# Altium PCB GT502W_V4_GPS_GT101.PcbDoc (part 1 of 2) (continued)
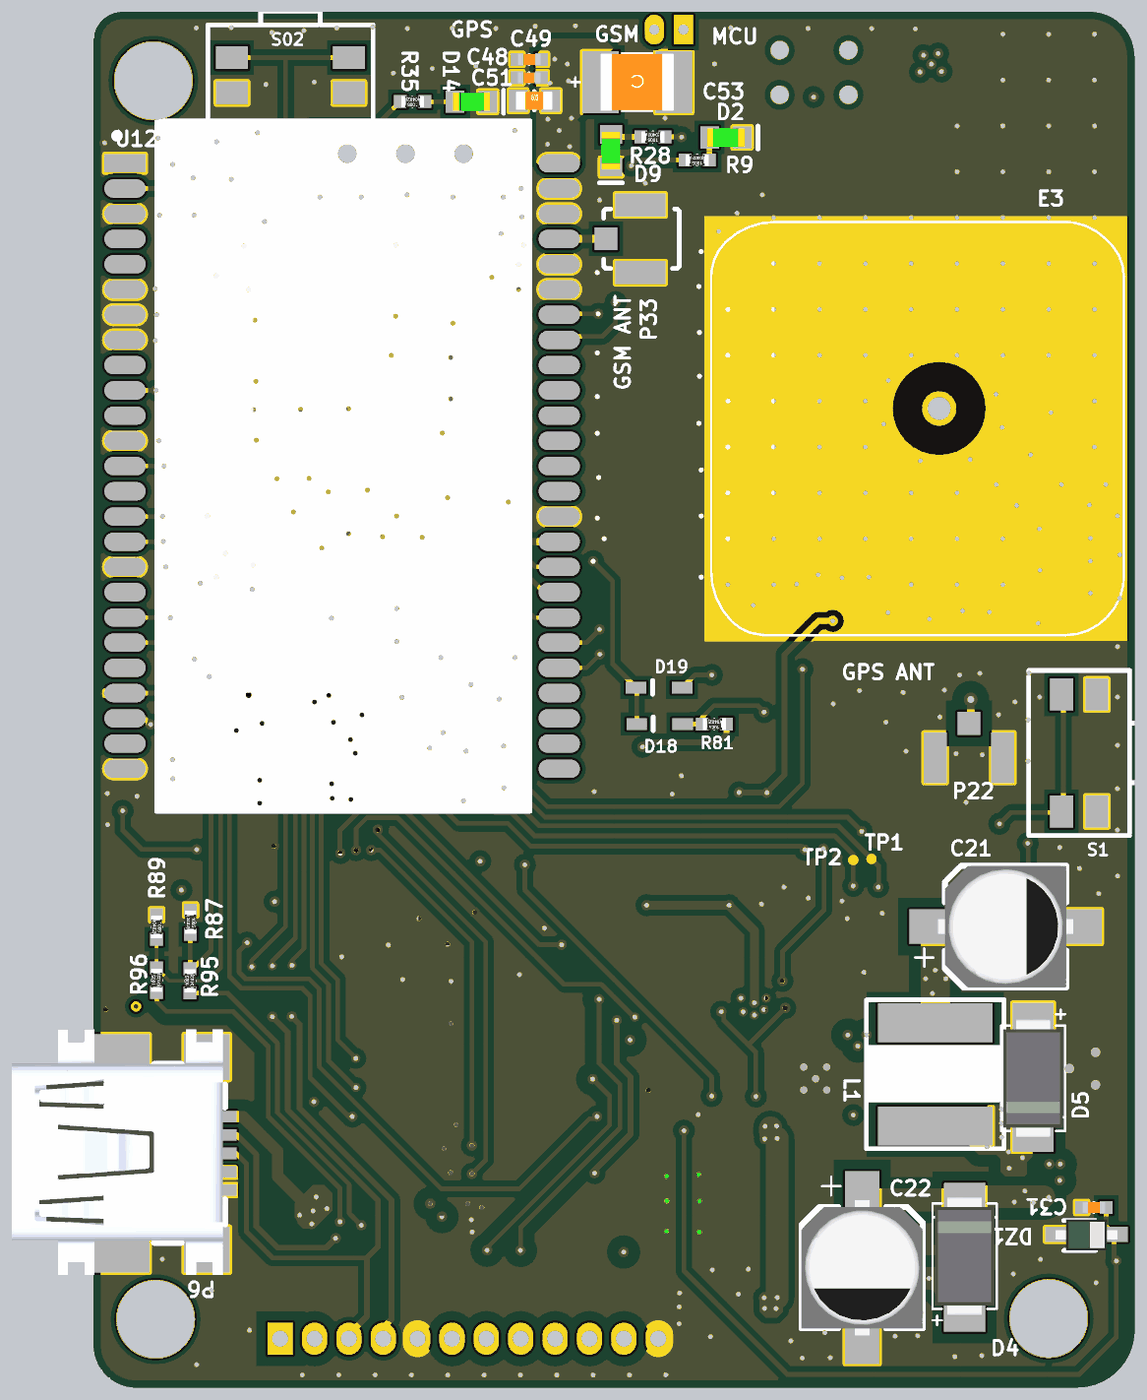
[diagram p6: 3D render of the assembled board from below, using the file's embedded part models]

## Layer stack, top to bottom
L1: signal copper 1.378
Dielectric: core 7.8, FR-4, Dk 4.2
L2: signal copper 1.378
Dielectric: prepreg 7.8, FR-4, Dk 4.2
L3: signal copper 1.378
Dielectric: core 7.8, FR-4, Dk 4.2
L4: signal copper 1.378

## Board outline
-569.54,-1178.56 -569.54,1008.17 -569.01,1008.17 cw(c-492.93,1008.17) -492.93,1084.25 1168.9,1084.25 cw(c1168.9,1034.25) 1218.9,1034.25 1218.9,-1203.95 cw(c1145.67,-1203.95) 1145.67,-1277.17 -471.1,-1277.17 -471.1,-1276.99 cw(c-471.1,-1178.56)

## Design rules (kind name [scope] priority, off if disabled: settings)
Clearance L1_L2_L3_L4_GND_POWER [InNamedPolygon('L1_GND') Or  InNamedPolygon('L3_GND') Or  InNamedPolygon('L4_GND') Or  InNamedPolygon('L2_GND') vs (InNet('5V') OR InNet('DIGITAL_OUT1') OR InNet('DIGITAL_OUT2') OR InNet('_ADC_IN') OR InNet('_ADC_IN1') OR InNet('ACC_IN') OR InNet('HI_IN') OR InNet('LOW_IN') OR InNet('VIN') OR InNet('V++') OR InNet('NetF2_2') OR InNet('NetF3_2') OR InNet('NetD4_1') OR InNet('NetC34_2') OR InNet('NetC34_1') OR InNet('NetD7_1') )] p1: gap=19.68
Clearance L4_GND_ANT_GPS [InNamedPolygon('L4_GND') vs InNet('NetC69_2')] p2: gap=50
Clearance L1_L2_L3_GND_ANT_GPS [InNamedPolygon('L1_GND') Or InNamedPolygon('L2_GND') Or  InNamedPolygon('L3_GND') Or InNamedPolygon('L4_GND') vs (InNet('NetC69_2') Or InNet('VCC_RF') Or InNet('NetC67_1') )] p3: gap=20
Clearance L1-L4-GND-RULE-ALL [InNamedPolygon('L1_GND') Or  InNamedPolygon('L3_GND') Or  InNamedPolygon('L4_GND') Or  InNamedPolygon('L2_GND')] p4: gap=10
Clearance [All] p5: gap=6
ComponentClearance [All] p1: gap=0 collisioncheckmode=3 verticalgap=0 showdistances=FALSE
MinimumSolderMaskSliver [All] p1: minsoldermaskwidth=1
PolygonConnect Pol_Style [All vs IsNamedPolygon('L1_GND') Or  IsNamedPolygon('L3_GND') Or  IsNamedPolygon('L4_GND') Or  IsNamedPolygon('L2_GND')] p1: connectstyle=Direct reliefconductorwidth=10 reliefentries=4 polygonreliefangle="90 Angle" // V3
PolygonConnect L1-GND-GPS_1 [All vs IsNamedPolygon('L1-GND-GPS')] p2: connectstyle=Direct reliefconductorwidth=10 reliefentries=4 polygonreliefangle="90 Angle"
PolygonConnect L1-L4-GND-POLYGON-STYLE [All vs IsNamedPolygon('L2-GND-PCB') Or  IsNamedPolygon('L4-GND-PCB') Or  IsNamedPolygon('L1-GND-PCB') Or  IsNamedPolygon('L3-GND-PCB')] p3: connectstyle=Direct reliefconductorwidth=10 reliefentries=4 polygonreliefangle="90 Angle"
PolygonConnect GPS-PAD-L1 [All vs IsNamedPolygon('L1-GPS-PAD')] p4: connectstyle=Direct reliefconductorwidth=10 reliefentries=4 polygonreliefangle="90 Angle"
PolygonConnect "GPS PAD" [All vs IsNamedPolygon('L4-GPS-PAD')] p5: connectstyle=Direct reliefconductorwidth=10 reliefentries=4 polygonreliefangle="90 Angle"
PolygonConnect [All vs isvia] p6: connectstyle=Direct reliefconductorwidth=10 reliefentries=4 polygonreliefangle="90 Angle"
RoutingVias ThruVia [All] p1: holewidth=7.87 width=17.72 viastyle="Through Hole" minholewidth=7.87 minwidth=17.72 maxholewidth=7.87 maxwidth=17.72
SilkscreenOverComponentPads [All] p1: minsilkscreentomaskgap=0.39
SolderMaskExpansion [All] p1: expansion=4
Width [All] p1: maxlimit=78.74 minlimit=6 preferedwidth=6
25 further rules are at their usual default settings.

## Classes and differential pairs
component class "Power Supply": C17 C18 C19 C20 C21 C22 C25 C33 C34 C70 D4 D5 D10 D18 D19 F1 L1 P8 P08 Q4 R19 R21 R43 R44 R45 R49 R50 R74 R81 R88 S2 S02 TP17 TP22 TP23 U7 U10 U11
component class Main: Buzzer1 C5 C6 C8 C10 C11 C12 C13 C14 C15 C31 C68 C85 C86 C87 C88 C89 C90 C91 D2 D7 D8 DZ1 F2 F3 P2 P4 P6 P40 Q2 Q6 Q8 Q9 R2 R3 R4 R5 R6 R7 R9 R11 R12 R14 R16 R58 R63 R67 R68 R82 R83 R84 R85 R86 R87 R89 R93 R94 R95 R96 R97 R98 S1 TP24 TP25 TP26 U3 U4 U5 U13 Y1
component class GSM/GPS: C40 C41 C48 C49 C51 C53 C55 C56 C57 C58 C59 C61 C62 C63 C66 C67 C69 C94 C95 D9 D14 E3 L68 L69 P02 P10 P22 P33 R28 R31 R33 R35 R77 R78 TP1 TP2 TP3 TP5 TP6 TP7 TP8 TP9 TP10 TP11 TP12 TP13 TP15 TP16 U1 U2 U12 U33

## Components (designator, comment, footprint, x,y, rotation, side; value= is the part's Value field where it differs from the comment)
C5 "100nF-16V-20%" C0402 591.76,-347.84 r270 top
C6 "100nF-16V-20%" C0402 871.26,-485.96 r270 top
C8 "15p-50V-5%" C0402 716.93,-463.39 r90 top
C10 "100nF-16V-20%" C0402 637.07,-346.48 r90 top
C11 "100nF-16V-20%" C0402 1089.76,-104.84 r270 top
C12 "100nF-16V-20%" C0402 905.51,-485.83 r270 top
C13 "100nF-16V-20%" C0402 754.33,22.05 r0 top
C14 "100nF-16V-20%" C0402 656.3,1.57 r90 top
C15 "15p-50V-5%" C0402 766.93,-483.86 r180 top
C17 "1uF-16V-20%" C0603 269.69,-487.4 r0 top
C18 "100nF-16V-20%" C0402 296.85,-208.27 r180 top
C19 "1uF-16V-20%" C0603 268.5,-254.33 r0 top
C20 "1uF-16V-20%" C0603 -198.11,-692.21 r0 top
C21 "100u, 6.3v" "CAPACITOR SIZE_C(D5.3)" -231.89,-485.83 r180 bottom
C22 "10uF, 35v" "CAPACITOR SIZE_C(D5.3)" -101.57,-955.12 r270 bottom locked
C25 "10uF-6V3-20%" C0603 153.54,-835.43 r180 top
C31 "100nF-16V-20%" C0402 -499.61,-968.11 r0 bottom
C33 "100nF-16V-20%" C0402 550,-312.6 r270 top
C34 "100nF-16V-20%" C0402 -331.1,-692.13 r270 top
C40 "10uF-6V3-20%" C0603 -107.09,70.47 r0 top
C48 "15p-50V-5%" C0402 470.61,971.26 r0 bottom
C49 "33p-50V-5%" C0402 470.47,1002.76 r0 bottom
C51 "1uF-16V-20%" C0603 489.37,931.89 r180 bottom
C53 "100u, ceramic" C1210 292.91,963.78 r0 bottom
C55 "100nF-16V-20%" C0402 20.87,49.61 r180 top
C56 "100nF-16V-20%" C0402 987.35,555.16 r0 top
C57 "47p-50V-5%" C0402 989.35,450.16 r180 top
C58 "47p-50V-5%" C0402 989.35,349.16 r180 top
C59 "47p-50V-5%" C0402 475.2,264.57 r270 top
C61 "10uF-6V3-20%" C0603 192.91,-259.06 r180 top
C62 "100nF-16V-20%" C0402 165.75,-214.57 r180 top
C63 "1uF-16V-20%" C0603 183.07,-479.92 r180 top
C66 "47p-50V-5%" C0402 -470.83,115.15 r0 top
C67 "47p-50V-5%" C0402 -449.57,65.15 r90 top
C68 "100nF-16V-20%" C0402 254.33,-851.57 r0 top
C69 "47p-50V-5%" C0402 -471.22,207.67 r0 top
C70 "10uF-6V3-20%" C0603 -111.12,-591.73 r0 top
C85 "100nF-16V-20%" C0402 1179.13,-798.43 r270 top
C86 "100nF-16V-20%" C0402 404.72,-574.8 r0 top
C87 "100nF-16V-20%" C0402 404.72,-711.42 r0 top
C88 "100nF-16V-20%" C0402 405.12,-782.28 r0 top
C89 "100nF-16V-20%" C0402 405.12,-817.72 r0 top
C90 "100nF-16V-20%" C0402 1123.23,-237 r180 top
C91 "100nF-16V-20%" C0402 1123.23,-199.2 r180 top
C94 "27p-50V-5%" C0402 216.54,964.96 r90 top
C95 "27p-50V-5%" C0402 250,965.35 r90 top
D2 "LED GREEN" LED0603-G 132.68,868.9 r180 bottom locked
D4 "1N4007" "DO-214AC (SMA)" -257.87,-1102.76 r90 bottom
D5 "B340A" "DO-214AC (SMA)" -414.96,-695.28 r270 bottom
D7 "BAT43XV2" BAT43XV2 -411.02,-961.81 r90 top locked
D8 "1N4148" SOD323 381.5,-909.06 r270 top
D9 "LED GREEN" LED0603-G 329.92,846.06 r270 bottom
D10 "TVS-24V" "DO-214AB (SMC)" -271.83,-957.09 r0 top
D14 "LED GREEN" LED0603-G 569.69,930.32 r180 bottom locked
D18 "BAT43XV2" SOD-523F 246.46,-138.19 r270 bottom
D19 "BAT43XV2" SOD-523F 247.35,-75.66 r270 bottom
DZ1 "5V1-300mW" SOD323 -439.76,-1014.17 r180 bottom
E3 "Antenna" GPS_ANTENNA_18X18 -233.86,403.54 r270 bottom locked
F1 "MINISMDC050F-2" PTC1812 201.97,-964.17 r270 top locked
F2 "PTS120616V025(NA)" PTC1206 920.08,-947.64 r90 top
F3 "PTS120616V025" PTC1206 1028.35,-948.43 r90 top
L1 "68uH-20%" 68uH-1A -227.17,-827.95 r90 bottom
L68 "12nH-5%" R0402#1 -450.35,162 r270 top
P2 "Debug(NA)" HDR1X3 583.07,840.94 r0 top locked
P02 "MIC" HEADER_1.27mm_2PIN 205.51,1053.94 r0 top
P4 "Header 12" CI1512M1HR0 574.02,-1114.96 r180 top locked
P6 "USB-CONNECTOR(NA)" "USB MINI B RECEPTACLE-M" 1012.64,-812.15 r90 bottom locked
P08 "Battery connector(NA)" "Nokia Battery connector" -18.9,921.26 r0 top locked
P8 "Header 4" BAT_CONNECT -62.99,-1151.97 r90 top locked
P10 "SIM CARD HOLDER" "SIM MF01-412-063X" 443.59,400.58 r180 top locked
P22 "GPS Antena Connecter(NA)" "IPX SMD PCB Plug" -285.04,-196.06 r90 bottom
P33 "GSM Antena conecter" "IPX SMD PCB Plug" 279.53,694.88 r0 bottom
P40 "Header 12" CI1512P1HK0-LF 573.62,-1193.31 r180 top locked
Q2 "PMBT3906,215" SC-43-BCE 918.89,-731.93 r180 top
Q4 "AO3401A" SOT23-3 39.37,-588.58 r0 top locked
Q6 "BSS138" SOT23-3 -501.18,-971.65 r90 top
Q8 "BSS138" SOT23-3 234.25,-760.63 r270 top locked
Q9 "BSS138" SOT23-3 234.25,-600.59 r270 top
R2 "10k-5%" R0402#1 818.9,-611.81 r0 top
R3 "10k-5%" R0402#1 821.26,-711.02 r0 top
R4 "10k-5%" R0402#1 820.61,-761.81 r0 top
R5 "10k-5%" R0402#1 819.29,-812.2 r0 top
R6 "4k7-5%" R0402#1 496.06,-226.51 r270 top
R7 "4k7-5%" R0402#1 531.5,-226.77 r270 top
R9 "1k-5%" R0402#1 181.89,829.92 r0 bottom
R11 "10k-5%" R0402#1 618.5,-257.87 r0 top
R12 "10k-5%" R0402#1 1017.46,-779.92 r0 top
R14 "1k5-5%" R0402#1 947.24,-594.16 r90 top
R16 "1k5-5%" R0402#1 901.97,-825.2 r180 top
R19 "10k-1%" R0402#1 -450.65,-559.84 r180 top
R21 "3.24k-1%" R0402#1 -526.77,-558.66 r0 top
R28 "1k-5%" R0402#1 257.87,869.69 r0 bottom
R31 "10k-5%" R0402#1 1066.54,18.11 r0 top
R33 "10k-5%" R0402#1 1001.18,-2.36 r270 top
R35 "1k-5%" R0402#1 670.87,930.32 r0 bottom
R43 "1k1-5%" R0402#1 -77.95,-638.19 r180 top
R44 "47k-5%" R0402#1 -169,-735.84 r180 top
R45 "3k-5%" R0402#1 -168.11,-773.21 r180 top
R49 "10k-5%" R0402#1 102.76,-691.73 r90 top
R50 "10k-5%" R0402#1 125.2,-748.43 r180 top
R58 "10k-5%" R0402#1 527.17,27.95 r0 top
R63 "100k-5%" R0402#1 -534.25,-906.56 r270 top
R67 "39k-1%" R0402#1 316.14,-850.39 r90 top
R68 "10k-1%" R0402#1 296.06,-803.94 r0 top
R74 "100k-5%" R0402#1 140.16,-575.2 r270 top
R77 "4k7-5%" R0402#1 300,-11.02 r180 top
R78 "4k7-5%" R0402#1 299.61,25.98 r180 top
R81 "100k-5%" R0402#1 152.34,-138.26 r0 bottom
R82 "10k-5%" R0402#1 404.72,-611.42 r180 top
R83 "10k-5%" R0402#1 404.33,-678.35 r180 top
R84 "10k-5%" R0402#1 404.72,-747.64 r180 top
R85 "10k-5%" R0402#1 405.51,-849.61 r180 top
R86 "1k-5%" R0402#1 404.59,-645.67 r0 top
R87 "10k-1%" R0402#1 1052.36,-478.35 r270 bottom
R88 "10k-5%" R0402#1 -168.5,-809.45 r180 top
R89 "10k-1%" R0402#1 1110.63,-486.61 r270 bottom
R93 "100k-5%" R0402#2 329.66,-711.81 r270 top
R94 "100k-5%" R0402#1 -363.39,-1011.81 r270 top
R95 "39k-1%" R0402#1 1053.15,-579 r90 bottom
R96 "39k-1%" R0402#1 1110.63,-577.95 r90 bottom
R97 "22-5%" R0402#1 877.95,-594.02 r270 top
R98 "22-5%" R0402#1 911.81,-593.63 r270 top
S1 "SOS(NA)" BUTON_4PIN_RIGH_ANGLE -474.41,-187.8 r90 bottom locked
S2 "SW-PB" SWITCH-1 236.22,-92.91 r180 top
S02 "PWR(NA)" BUTON_4PIN_RIGH_ANGLE 880.71,975.59 r0 bottom locked
TP1 "TP" TEST_POINT -117.66,-369.66 r90 bottom
TP2 "TP" TEST_POINT -86.22,-371.65 r90 bottom
TP3 "TP" TEST_POINT 1164.96,434.65 r90 top
TP5 "TP" TEST_POINT 1164.96,304.72 r90 top
TP6 "TP" TEST_POINT 1164.96,218.11 r90 top
TP7 "TP" TEST_POINT 1164.96,174.8 r90 top
TP8 "TP" TEST_POINT 1164.96,44.88 r90 top
TP9 "TP" TEST_POINT 1164.96,-85.04 r90 top
TP10 "TP" TEST_POINT 987.4,506.69 r90 top
TP11 "TP" TEST_POINT 988.98,403.15 r90 top
TP12 "TP" TEST_POINT 989.76,305.91 r90 top
TP13 "TP" TEST_POINT 464.57,397.24 r90 top
TP15 "TP" TEST_POINT 112.99,-213.78 r90 top
TP16 "TP" TEST_POINT 233.86,-468.5 r90 top
TP17 "TP" TEST_POINT 248.03,-208.27 r90 top
TP22 "TP" TEST_POINT -18.5,-652.76 r90 top
TP23 "TP" TEST_POINT 136.61,-668.83 r90 top
TP24 "TP" TEST_POINT 643.31,-154.33 r90 top
TP25 "TP" TEST_POINT 610.24,-223.23 r90 top
TP26 "TP" TEST_POINT 609.84,-194.49 r90 top
U1 "AMBO1315" GPS-module -250,0 r0 top locked
U2 "XC6209B332MRN_SOT-25" SOT23-5 167.01,-363.67 r90 top
U3 "ULN2003A/SO" SO16-150mil 604.72,-787.01 r270 top locked
U4 "STM32F103CBT6TR" TQFP-48-P0.5 863.89,-222.37 r90 top locked
U5 "MMA7660FC" MMA7660FC 548.06,-81.01 r270 top
U7 "TPS5430DDAR" HSOIOCN -457.48,-729.53 r180 top
U10 "bq24073" pq24073 -20.9,-746.67 r90 top
U11 "XC6209B332MRN_SOT-25" SOT23-5 305.02,-362.6 r90 top
U12 "LEON G100" UBLOX 791.93,304.72 r180 bottom locked
U13 "MX25L8005MC-15G_SOP-8L" SO8-200mil 1119.29,-559.06 r90 top locked
Y1 "8.000 MHZ" "SMD CRYSTAL 4 X 2.5" 582.68,-470.47 r0 top locked

## Footprints (in the part's own frame and the unit in brackets; to place one, negate y for a bottom-side part, rotate by r counter-clockwise, add the part's x,y. Pads: shape width x height; smd on the part's side, far side on the other; paste and mask are expansions set on the pad)
68uH-1A [mm]
  rect 1.7x5 smd: 1(0,0) 2(4.5,0)
  silkscreen extent -1,-3 5.5,3, body extent -1,-3 5.5,3, height 4.6
BAT43XV2 [mm] "Molded Inductor, 2-Leads, Body 1.2x0.8mm, IPC Medium Density"
  rect 0.9x0.5 smd: 1(-1,0) 2(1,0)
  silkscreen extent -0.28,-0.29 -0.28,0.31, body extent -0.65,-0.45 0.65,0.45, height 0.7
BAT_CONNECT [mm]
  rect 1x0.8 smd: 1(0.4,0.635) 2(0.4,-0.635)
  rect 3x2 smd: 3(-3,3.4) 4(-3,-3.4)
  silkscreen extent -4.67,-3.69 0,3.69
BUTON_4PIN_RIGH_ANGLE [mm]
  rect 1.4x1 smd: 1(-2.55,-0.77) 2(2.55,-0.77) 3(-2.55,0.77) 4(2.55,0.77)
  silkscreen extent -3.6,-2.8 3.6,2.2
C0402 [mil]
  rect 22x22 smd: 1(-21,0) 2(21,0)
  silkscreen extent 0,-8 0,8, body extent -20,-10 20,10, height 20
C0603 [mil]
  rect 32x38 smd: 1(0,0) 2(56,0)
  silkscreen extent 28,-16 28,16, body extent -4,-16 59,16, height 12
C1210 [mm] "Chip Capacitor; Body 3.2 x 2.5 mm (LxW typ)"
  rect 1.6x2.7 smd: 1(1.4,0) 2(-1.8,0)
  silkscreen extent -0.9,-1.3 2.7,1.3, body extent -2.3,-1.35 1.9,1.35
"CAPACITOR SIZE_C(D5.3)" [mm]
  rect 2.5x1.5 smd: 1(0,0) 2(5.9,0)
  silkscreen extent -1,-2.65 5.6,2.65, body extent 0,-2.65 5.9,2.65, height 5.4
CI1512M1HR0 [mm]
  rect 0.7x2.5 smd: 1(-8.25,0) 2(-6.75,0) 3(-5.25,0) 4(-3.75,0) 5(-2.25,0) 6(-0.75,0) 7(0.75,0) 8(2.25,0) 9(3.75,0) 10(5.25,0) 11(6.75,0) 12(8.25,0)
  L1 region: 9.65,2.65 10.75,2.65 10.75,4.55 9.65,4.55
  L1 region: -10.75,2.65 -9.65,2.65 -9.65,4.55 -10.75,4.55
  silkscreen extent -10.5,-0.45 10.5,5.55, body extent -10.5,0.55 10.5,5.55, height 4
CI1512P1HK0-LF [mm]
  rect 1.1x1.4 hole 0.7: 1(-8.25,0)
  oval 1.1x1.4 hole 0.7: 2(-6.75,0) 3(-5.25,0) 4(-3.75,0) 5(-2.25,0) 6(-0.75,0) 7(0.75,0) 8(2.25,0) 9(3.75,0) 10(5.25,0) 11(6.75,0) 12(8.25,0)
  silkscreen extent -10.5,-0.45 10.5,5.55, body extent -10.5,0.55 10.5,5.55, height 4
"DO-214AB (SMC)" [mil]
  rect 137.77x118.1 smd: 1(19.67,0) 2(236,0)
  silkscreen extent -8,-118 267,118, body extent -27,-118 286,114, height 91
"DO-214AC (SMA)" [mm]
  rect 2.2x1.8 smd: 1(-0.899,-0.5) 2(3.397,-0.5)
  silkscreen extent -1.7,-1.9 3.6,0.9, body extent -1.3,-1.8 3.9,0.8, height 2.3
GPS-module [mm]
  rect 0.66x1 smd: 1(-6.35,-13) 2(-5.08,-13) 3(-3.81,-13) 4(-2.54,-13) 5(-1.27,-13) 6(1.27,-13) 7(2.54,-13) 8(3.81,-13) 9(5.08,-13) 10(6.35,-13) 11(6.35,0) 12(5.08,0) 13(3.81,0) 14(2.54,0) 15(1.27,0) 16(-1.27,0) 17(-2.54,0) 18(-3.81,0) 19(-5.08,0) 20(-6.35,0)
  rect 1.02x1 smd: 21(0,-13) 22(0,0)
  silkscreen extent -8,-13 8,0, body extent -8,-13 8,0, height 2.5
GPS_ANTENNA_18X18 [mm]
  round 1.5 hole 1: 1(0,0)
  silkscreen extent -8.13,-9.95 9.89,8.06, body extent -8.13,-9.97 9.89,8.06, height 4.1
HDR1X3 [mm] "Connector; Header; 3 Position"
  rect 1.4x1.4 hole 0.8: 1(0,0)
  round 1.4 hole 0.8: 2(2.54,0) 3(5.08,0)
HEADER_1.27mm_2PIN [mm]
  rect 0.85x1.3 hole 0.45: 1(0,0)
  oval 0.85x1.3 hole 0.45: 2(1.27,0)
  silkscreen extent -0.8,-0.8 2,0.8
HSOIOCN [mm] "SP7656"
  rect 0.6x2 smd: 1(-1.905,-2.6) 2(-0.635,-2.6) 3(0.635,-2.6) 4(1.905,-2.6) 5(1.905,2.6) 6(0.635,2.6) 7(-0.635,2.6) 8(-1.905,2.6)
  rect 3.3x2.4 smd: 9(0,0)
  silkscreen extent -2.77,-3.43 2.5,1.43, body extent -2.5,-2.95 2.4,3.05, height 1.7
"IPX SMD PCB Plug" [mm]
  rect 1x1 smd: 1(1.5,0)
  rect 2.2x1 smd: 2(0,-1.475) 3(0,1.475)
LED0603-G [mil]
  rect 32x38 smd: 1(-28,0) 2(28,0)
  silkscreen extent 55,-20 55,19, body extent -32,-16 32,16, height 43
MMA7660FC [mm] "QFN, 12-Leads, Body 3,0x3,0mm (max), Pitch 0,50mm, IPC Medium Density"
  oval 1x0.25 smd: 1(-1.45,1) 2(-1.45,0.5) 3(-1.45,0) 4(-1.45,-0.5) 5(-1.45,-1) 6(1.45,-1) 7(1.45,-0.5) 8(1.45,0) 9(1.45,0.5) 10(1.45,1)
  oval 0.25x0.8 smd: 11(0,-1.58)
  oval 0.25x0.711 smd: 12(0,1.6)
  silkscreen extent -2.19,-1.5 1.5,1.66, body extent -1.5,-1.5 1.5,1.5, height 0.9
"Nokia Battery connector" [mm]
  rect 1.2x1.3 smd: 1(-3,1.875) 2(0,1.875) 3(3,1.875)
  rect 3.8x2.4 smd: 4(0,-1.875)
  silkscreen extent -4.5,-2.37 4.5,1.13, body extent -4.5,-2.4 4.5,1.1, height 6.9
pq24073 [mm]
  rect 1x0.25 smd: 1(-1.5,0.75)
  oval 1x0.25 smd: 2(-1.5,0.25) 3(-1.5,-0.25) 4(-1.5,-0.75) 9(1.5,-0.75) 10(1.5,-0.25) 11(1.5,0.25) 12(1.5,0.75)
  oval 0.25x1 smd: 5(-0.75,-1.5) 6(-0.25,-1.5) 7(0.25,-1.5) 8(0.75,-1.5) 13(0.75,1.5) 14(0.25,1.5) 15(-0.25,1.5) 16(-0.75,1.5)
  rect 1.4x1.4 smd: 17(0,0)
  silkscreen extent -2.57,-1.6 1.6,1.61, body extent -1.58,-1.57 1.58,1.58, height 1
PTC1206 [mil]
  rect 60x60 smd: 1(-65,0) 2(65,0)
  body extent -60,-50 66,51, height 27
PTC1812 [mm]
  rect 3.5x1.2 smd: 1(0,2.3) 2(0,-1.995)
  silkscreen extent -1.56,-1.27 1.44,1.63, body extent -1.73,-2.06 1.68,2.67, height 1.34
R0402#1 [mil]
  rect 22x22 smd: 1(-21,0) 2(21,0)
  silkscreen extent 0,-8 0,8, body extent -20,-10 20,10, height 14
R0402#2 [mil]
  rect 22x22 smd: 1(0,-21) 2(0,21)
  silkscreen extent -8,0 8,0, body extent -10,-20 10,20, height 14
SC-43-BCE [mil]
  rect 34x40 smd: B(-37.02,-46.5) E(37.02,-46.5)
  rect 34x50 smd: C(0.02,46.5)
  silkscreen extent -60,-8 60,33, body extent -57,-52 57,58, height 41
"SIM MF01-412-063X" [mm] "http://www.fcn.com.tw/zh/product/ProductList.aspx?Type=13"
  rect 2.8x1.2 smd: 1(-10.8,-3.93) 2(-10.8,-1.31) 3(-10.806,1.295) 5(-1.52,-3.94) 6(-1.526,-1.315) 7(-1.54,1.31)
  rect 2x2 smd: 8(-8.2,7.2) 9(-5,-7.2) 10(-8.2,-7.2) 11(-5,7.2)
  silkscreen extent -15.7,-8.2 0,8.2, body extent -15.7,-8.2 10,8.2, height 2.9
"SMD CRYSTAL 4 X 2.5" [mm]
  rect 1.4x1.1 smd: 1(-2,-1.1) 2(2,-1.1) 3(2,1.1) 4(-2,1.1)
  silkscreen extent -2.6,-1.7 2.6,1.7, body extent -2,-1.2 2,1.3, height 0.63
SO8-200mil [mm] "8-Pin Plastic Medium Body Small Outline Package 1.27 mm Pitch, IPC Low Density"
  rect 2.5x0.7 smd: 1(-3.45,1.905) 2(-3.45,0.635) 3(-3.45,-0.635) 4(-3.45,-1.905) 5(3.45,-1.905) 6(3.45,-0.635) 7(3.45,0.635) 8(3.45,1.905)
  silkscreen extent -3.57,-2.7 1.8,2.93, body extent -3.05,-2.4 2.95,2.5, height 1.7
SO16-150mil [mm] "Small Outline; 16 Leads; Body Width 3.9 mm; Pitch 1.27 mm"
  rect 0.5x2.2 smd: 1(-4.445,-2.6) 2(-3.175,-2.6) 3(-1.905,-2.6) 4(-0.635,-2.6) 5(0.635,-2.6) 6(1.905,-2.6) 7(3.175,-2.6) 8(4.445,-2.6) 9(4.445,2.6) 10(3.175,2.6) 11(1.905,2.6) 12(0.635,2.6) 13(-0.635,2.6) 14(-1.905,2.6) 15(-3.175,2.6) 16(-4.445,2.6)
  silkscreen extent -5.42,-2.72 5,1.1, body extent -4.95,-3.1 4.95,3.1, height 1.7
SOD323 [mm]
  rect 1.2x0.65 smd: 1(0,0) 2(2.4,0)
  silkscreen extent 0.2,-0.7 1.6,0.6, body extent -0.15,-0.7 2.55,0.65, height 0.79
SOD-523F [mm] "Molded Inductor, 2-Leads, Body 1.2x0.8mm, IPC Medium Density"
  rect 0.5x0.9 smd: 1(0,-1) 2(0,1)
  silkscreen extent -0.31,-0.28 0.29,-0.28, body extent -0.45,-0.65 0.45,0.65, height 0.7
SOT23-3 [mm] "SOT23, 3-Leads, Body 2.9x1.3mm, Pitch 0.95mm, Lead Span 2.4mm, IPC Medium Density"
  rect 1.15x0.6 smd: 1(-1.125,0.95) 2(-1.125,-0.95) 3(1.125,0)
  silkscreen extent -0.26,-1.5 0.7,1.5, body extent -1.27,-1.46 1.28,1.46, height 0.99
SOT23-5 [mm] "SOT23, 5-Leads, Body 2.9x1.6mm, Pitch 0.95mm, Lead Span 2.8mm, IPC Low Density"
  rect 1.3x0.7 smd: 1(-1.2,0.95) 2(-1.2,0) 3(-1.2,-0.95) 4(1.2,-0.95) 5(1.2,0.95)
  silkscreen extent -1.32,-1.55 0.15,1.97, body extent -0.9,-1.55 0.9,1.55, height 1.45
SWITCH-1 [mm] "6.0x3.6x2.5mm SMD 2-pin"
  rect 2x1 smd: 1(-2.55,0) 2(2.55,0)
  silkscreen extent -2.8,-1.3 2.8,1.3, body extent -2.9,-1.3 2.9,1.3, height 2.7
TEST_POINT [mm]
  round 0.45 smd paste-1 mask+0: 1(0,0)
TQFP-48-P0.5 [mm] "Thin QFP, 48-Leads, Body 7x7mm, Pitch 0.5mm, IPC Medium Density"
  rect 1.2x0.254 smd: 1(-4.5,2.75) 2(-4.5,2.25) 3(-4.5,1.75) 4(-4.5,1.25) 5(-4.5,0.75) 6(-4.5,0.25) 7(-4.5,-0.25) 8(-4.5,-0.75) 9(-4.5,-1.25) 10(-4.5,-1.75) 11(-4.5,-2.25) 26(4.5,-2.25) 27(4.5,-1.75) 28(4.5,-1.25) 29(4.5,-0.75) 30(4.5,-0.25) 31(4.5,0.25) 32(4.5,0.75) 33(4.5,1.25) 34(4.5,1.75) 35(4.5,2.25) 36(4.5,2.75)
  rect 1.092x0.254 smd: 12(-4.5,-2.75)
  rect 0.254x1.2 smd: 13(-2.75,-4.5) 14(-2.25,-4.5) 15(-1.75,-4.5) 16(-1.25,-4.5) 17(-0.75,-4.5) 18(-0.25,-4.5) 19(0.25,-4.5) 20(0.75,-4.5) 21(1.25,-4.5) 22(1.75,-4.5) 23(2.25,-4.5) 24(2.75,-4.5) 37(2.75,4.5) 38(2.25,4.5) 39(1.75,4.5) 40(1.25,4.5) 41(0.75,4.5) 42(0.25,4.5) 43(-0.25,4.5) 44(-0.75,4.5) 45(-1.25,4.5) 46(-1.75,4.5) 47(-2.25,4.5) 48(-2.75,4.5)
  rect 1.143x0.254 smd: 25(4.5,-2.75)
  silkscreen extent -5.71,-4.5 4.5,4.5, body extent -4.5,-4.5 4.5,4.5, height 1.5
UBLOX [mm] "SOJ, 50-Leads, Body 30.1x20.1mm (max), Pitch 1.10mm, IPC Low Density"
  rect 1.8x0.8 smd: 1(-9.475,13.2)
  oval 1.8x0.8 smd: 2(-9.475,12.1) 3(-9.475,11) 4(-9.475,9.9) 5(-9.475,8.8) 6(-9.475,7.7) 7(-9.475,6.6) 8(-9.475,5.5) 9(-9.475,4.4) 10(-9.475,3.3) 11(-9.475,2.2) 12(-9.475,1.1) 13(-9.475,0) 14(-9.475,-1.1) 15(-9.475,-2.2) 16(-9.475,-3.3) 17(-9.475,-4.4) 18(-9.475,-5.5) 19(-9.475,-6.6) 20(-9.475,-7.7) 21(-9.475,-8.8) 22(-9.475,-9.9) 23(-9.475,-11) 24(-9.475,-12.1) 25(-9.475,-13.2) 26(9.475,-13.2) 27(9.475,-12.1) 28(9.475,-11) 29(9.475,-9.9) 30(9.475,-8.8) 31(9.475,-7.7) 32(9.475,-6.6) 33(9.475,-5.5) 34(9.475,-4.4) 35(9.475,-3.3) 36(9.475,-2.2) 37(9.475,-1.1) 38(9.475,0) 39(9.475,1.1) 40(9.475,2.2) 41(9.475,3.3) 42(9.475,4.4) 43(9.475,5.5) 44(9.475,6.6) 45(9.475,7.7) 46(9.475,8.8) 47(9.475,9.9) 48(9.475,11) 49(9.475,12.1) 50(9.475,13.2)
  silkscreen extent -9.95,-15.05 8.2,15.05, body extent -9.5,-15.05 9.5,15.05, height 3.2
"USB MINI B RECEPTACLE-M" [mm]
  rect 0.5x3 smd: 1(0,0.5) 2(-0.8,0.5) 3(-1.6,0.5) 4(-2.4,0.5) 5(-3.2,0.5)
  rect 2x2 smd: 6(2.601,0.3) 7(-5.801,0.3)
  rect 2x4 smd: 8(2.601,4.801) 9(-5.801,4.801)
  round 1 / inner round 1.524 / far side round 1 hole 1: 10(0.6,2.8) 11(-3.8,2.8)
  silkscreen extent -5.5,-0.5 2.3,8.8, body extent -6.9,-0.4 3.8,8.8, height 3.95

## Part data
C5 C6 C10 C11 C12 C13 C14 C18 C33 C34 C55 C56 C62 C68 C85 C86 C87 C88 C89 C90 C91: library part Cap, "CAP CER 0.1UF 16V Y5V 0402"
C8 C15 C48: library part Cap, "CAP CER 15PF 50V 5% NPO 0402"
C17 C19 C20 C51 C63: library part Cap, "CAP CER 1UF 16V Y5V 0603"
C21: library part "Cap Pol3", "CAP ALUM 100UF 10V 20% SMD"
C22: library part "Cap Pol3", "CAP ALUM 10UF 35V 20% SMD"
C25 C40 C61 C70: library part Cap, "CAP CER 10UF 6.3V 20% X5R 0603"
C31: library part Cap, "CAP CER 10000PF 16V 10% X7R 0402"
C49: library part Cap, "CAP CER 33PF 50V 5% NPO 0402"
C53: library part "Cap Pol3", "CAP CER 100UF 10V 20% X5R 1812"
C57 C58 C59 C66 C67 C69: library part Cap, "CAP CER 47PF 50V 5% NPO 0402"
C94 C95: library part Cap, "CAP CER 27PF 50V 5% NPO 0402"
D2 D9 D14: library part LED2, "LED GREEN CLEAR THIN 0603 SMD"
D4: library part Diode, "DIODE GEN PURPOSE 1000V 1A SMA"
D5: library part "D Schottky", "DIODE SCHOTTKY 40V 3A SMA"
D7 D18 D19: library part Diode, "Diode Type SMD"
D8: library part Diode, "DIODE SWITCH 75V 200MW SOD323"
D10: library part "D Schottky", "DIODE TVS 24V 1500W UNI 5% SMC"
DZ1: library part "D Zener", "Zener Diode"
E3: "Generic Antenna"
F1: library part "Fuse 2", "POLYSWITCH .50A RESET FUSE SMD"
F2 F3: library part "Fuse 2", "PTC RESETTABLE SMD 1206 16V .25A"
L1: library part Inductor, "INDUCTOR POWER 68UH SMD"
L68: library part Inductor, "INDUCTOR 12NH 300MA 0402"
P2: library part "Header 3", "NA"
P02: library part "Header 2", "Header, 2-Pin"
P4 P40: "Header, 12-Pin"
P6: library part "Header 9", "IO CONNECTOR"
P08: library part "Header 4", "WAFER 1.25mm MALE 2PIN 13DGH-02T-220L"
P8: "Header, 4-Pin"
P10: library part "SIM CARD", "SIM _CONNECTOR_410108105011-2LF"
P22: library part "Header 3", "GPS Antena"
P33: library part "Header 3", "GSM Antena"
Q2: library part "PNP Transistor"
Q4: library part MOSFET-P, "MOSFET P-CH -30V -4.3A SOT23"
Q6 Q8 Q9: library part MOSFET-P, "MOSFET N-CH 50V 200MA SOT23-3"
R2 R3 R4 R5 R11 R12 R31 R33 R49 R50 R58 R82 R83 R84 R85 R88: library part Res1, "RES 10K OHM 1/16W 5% 0402 SMD"
R6 R7 R77 R78: library part Res1, "RES 4.7K OHM 1/16W 5% 0402 SMD"
R9 R28 R35 R86: library part Res1, "RES 1.0K OHM 1/16W 5% 0402 SMD"
R14 R16 R45: library part Res1, "RES 1.5K OHM 1/16W 5% 0402 SMD"
R19: library part Res1, "RES 10.0K OHM 1/10W 1% 0402 SMD"
R21: library part Res1, "RES 3.24K OHM 1/10W 1% 0402 SMD"
R43: library part Res1, "RES 1.1K OHM 1/16W 5% 0402 SMD"
R44: library part Res1, "RES 47K OHM 1/16W 5% 0402 SMD"
R63 R74 R81 R93 R94: library part Res1, "RES 100K OHM 1/16W 5% 0402 SMD"
R67 R95 R96: library part Res1, "RES 39.0K OHM 1/16W 1% 0402 SMD"
R68 R87 R89: library part Res1, "RES 10.0K OHM 1/16W 1% 0402 SMD"
R97 R98: library part Res1, "RES 22 OHM 1/16W 5% 0402 SMD"
S1 S02: library part SW-DPST, "SAME WITH SWITCH USING ON GPS TRACKER MSP-320"
S2: "SWITCH DIP 1-POS SLIDE SMD"
U1: library part UBLOX-GPS
U3: library part ULN2003A/SO_0, "IC DARL TRANS ARRAY 16-SOIC"
U4: library part ATmega128_4, "MCU ARM 128K FLASH/TIMER"
U5: "ACCELEROMETER 3X3 DGTL 10-DFN"
U7: library part TPS54xx, "IC REG BUCK ADJ 1A 8SOIC"
U10: library part BATTERY_CHARGER, "IC LI-ION CHARGE/PWR MGMT 16-QFN"
U12: library part ublox
U13: library part FlashIC
Y1: library part CRYSTAL-SMT, "CRYSTAL 8.000 MHZ 18PF SMD"

## Free pads (board coordinates)
  round 133.86 hole 133.86: 0(1116.28,966.14) 1(1112.35,-1159.84) 2(-422.05,-1158.66)

## Via types
v1: diameter 17.72, hole 7.87, L1 to L4, 473 vias
v2: diameter 15.75, hole 7.87, L1 to L4, 22 vias
v3: diameter 31.5, hole 15.75, L1 to L4, 5 vias
v4: diameter 11.81, hole 11.81, L1 to L4, tented top, 5 vias
v5: diameter 31.5, hole 31.5, L1 to L4, 4 vias
v6: diameter 23.62, hole 11.81, L1 to L4, 1 vias
v7: diameter 17.72, hole 9.84, L1 to L4, 1 vias

## Nets (pads, with @x,y where several pads share a name; then routed paths per layer and width w, separated by ;. In a path a pad name is that pad's centre, name@x,y a point inside that pad or via, vN(x,y) a via of type N, cw(c..) or ccw(c..) an arc to the next point about the centre after c; other vN are vias at no path point)
3V3: C5.2 C10.1 C11.1 C12.1 C13.1 C14.2 C18.2 C19.1 C85.1 Q2.E R2.2 R3.2 R4.2 R5.2 R6.2 R7.2 R12.2 R31.1 R33.1 R58.2 R81.1 TP17.1 U4.1 U4.9 U4.24 U4.36 U4.48 U5.3 U5.9 U11.5 U13.3 U13.7 U13.8 | length 4332.7
  L1 w7.87: U5.9@567.74,-138.1 567.74,-73.2 548.06,-53.52 U5.3@548.06,-23.92 548.17,-23.81 R58.2@548.17,27.95 727.43,27.95 C13.1@733.33,22.05 733.33,6.83 755.62,-15.46 U4.36@755.62,-45.2 ; R33.1@1001.18,18.64 1001.71,18.11 R31.1@1045.54,18.11 v1(1045.54,-26.77) 1045.54,-109.62 U4.24@1041.05,-114.1
  L1 w8: v1@559.5,-368.84 C5.2@591.76,-368.84 593.12,-367.48 C10.1@637.07,-367.48 673.12,-367.48 686.72,-353.88 ; U4.48@686.72,-330.63 686.72,-353.88 ; U4.1@755.62,-399.53 732.38,-399.53 686.72,-353.88 ; U4.24@1041.05,-114.1 1058.5,-114.1 1087.12,-85.48 C11.1@1089.76,-85.48
  L1 w10: TP17.1@248.03,-208.27 C18.2@275.85,-208.27 ; U11.5@267.61,-315.35 267.61,-255.22 C19.1@268.5,-254.33 268.5,-215.61 C18.2@275.85,-208.27 ; 484.25,-251.97 484.25,-247.51 ; R7.2@531.5,-247.77 v1(514.17,-247.77) 496.32,-247.77 R6.2@496.06,-247.51 484.25,-247.51 ; R2.2@839.9,-611.81 842.26,-614.17 R3.2@842.26,-711.02 ; R5.2@840.29,-812.2 v1(840.29,-786.61) 840.29,-763.13 R4.2@841.61,-761.81 842.26,-761.16 R3.2@842.26,-711.02 ; Q2.E@881.87,-685.43 856.28,-711.02 R3.2@842.26,-711.02 ; C12.1@903.94,-462.6 913.1,-453.43 U4.9@913.1,-399.53 ; U13.8@1044.29,-423.23 U13.8@1049.61,-423.23 ; U13.8@1049.61,-418.9 U13.8@1049.61,-423.23 ; U13.7@1094.29,-423.23 v1(1068,-423.23) U13.8@1049.61,-423.23 ; U13.3@1144.29,-694.88 1144.29,-742.58 C85.1@1179.13,-777.43 ; C18.2@275.85,-208.27 v1(275.85,-177.3) 296.85,-156.3 370.08,-156.3 461.29,-247.51 484.25,-247.51
  L1 w11.81: R12.2@1038.46,-779.92 1038.54,-780 v1(1062,-780) ; U13.3@1144.29,-694.88 1146,-693.17 v1(1146,-623)
  L2 w10: 624.02,-442.91 v1(907.87,-442.91)
  L2 w11.81: v1(514.17,-247.77) 528.21,-261.81 554.72,-261.81 ; 624.02,-442.91 v1(554.72,-373.62) 554.72,-261.81 ; v1@1044.75,-25.98 664.96,-25.98 620.47,-70.47 v1(570.47,-70.47) 554.72,-86.22 554.72,-261.81 ; v1(1068,-423.23) 1045.28,-423.23 1025.59,-442.91 v1(907.87,-442.91) 840.29,-510.5 v1(840.29,-786.61) 858.01,-768.9 1050.9,-768.9 v1(1062,-780) 1062,-710 1147,-625 1147,-624 v1(1146,-623)
  L4 w10: R81.1@131.34,-138.26 131.34,-156.14 144.88,-169.68 268.24,-169.68 v1(275.85,-177.3)
5V: C20.2 C21.1 L1.2 P6.1 R19.1 R83.2 U10.13 | length 2138
  L1 w7.87: v1@301.18,-678.35 R83.2@383.33,-678.35
  L1 w8: C20.2@-142.11,-692.21 C20.2@-142.11,-680.33
  L1 w25: R19.1@-429.65,-559.84 -262.6,-559.84 v1(-222.05,-600.39) C20.2@-142.11,-680.33
  L2 w7.87: 270.87,-700 v1@293.9,-676.97
  L2 w50: -226,-572 -226,-596.44 v1(-222.05,-600.39) -145.28,-677.17 47.24,-677.17 ; 53.54,-677.17 76.38,-700 270.87,-700 ; 297.24,-700 565.75,-700 847.64,-981.89
  L4 w20: v1@842.32,-974.61 902.76,-914.17 902.76,-872.05 962.65,-812.15 P6.1@1032.32,-812.15
  L4 w50: C21.1@-231.89,-485.83 -227.17,-490.55 v1(-227.17,-560.63) L1.2@-227.17,-650.79
  other v1: 844.1,-996.46 864.96,-981.1 841.73,-974.02 818.11,-969.68 836.22,-950 -94.09,-690.94 297.24,-680.31 -76.77,-672.05 -109.06,-671.65 -245.28,-575.2 -210.63,-575.2
_ADC_IN: P4.7 P40.7 R84.2 R95.1 | length 1360
  L1 w8: v1(361.42,-747.64) R84.2@383.72,-747.64 ; P40.7@544.09,-1193.31 544.49,-1192.91 P4.7@544.49,-1114.96 542.91,-1113.39 v1(542.91,-1041.34) 611.02,-1041.34 650,-1002.36 755.12,-1002.36 v1(758.94,-998.54)
  L4 w8: v1(361.42,-747.64) 332.11,-776.94 332.11,-826.2 542.91,-1037.01 v1(542.91,-1041.34) ; v1(758.94,-998.54) 779.92,-977.56 779.92,-928.35 903.15,-805.12 903.15,-685.83 988.98,-600 R95.1@1053.15,-600
_ADC_IN1: P4.6 P40.6 R96.1 | length 935.1
  L1 w8: P40.6@603.15,-1193.31 603.54,-1192.91 P4.6@603.54,-1114.96 603.54,-1076.77 660.43,-1019.89 769.09,-1019.89 v1@796.06,-992.91
  L4 w8: v1(795.67,-992.52) 795.67,-935.04 918.9,-811.81 918.9,-691.73 979.28,-631.35 1093.85,-631.35 1110.63,-614.57 R96.1@1110.63,-598.95
_USBDM: P4.4 P6.2 P40.4 R97.2 | length 1255.9
  L1 w8: P4.4@721.65,-1114.96 726.77,-1109.84 726.77,-1049.21 739.37,-1036.61 787.4,-1036.61 v1(803.15,-1020.87)
  L1 w10: P4.4@721.65,-1114.96 722.83,-1116.14 P40.4@722.83,-1182.68 ; R97.2@877.95,-615.02 878.35,-615.42 v1(878.35,-640.16)
  L4 w10: P40.4@726.77,-1179.53 707.09,-1159.84 707.09,-955.12 865.36,-796.85 865.36,-653.15 v1(878.35,-640.16) ; v1(803.15,-1020.87) 819.29,-1037.01 902.36,-1037.01 939.77,-999.61 939.77,-876.77 972.88,-843.65 P6.2@1032.32,-843.65
_USBDP: P4.3 P6.3 P40.3 R16.2 R98.2 | length 1376.3
  L1 w10: P4.3@779.92,-1114.17 P4.3@780.71,-1114.96 781.1,-1115.35 P40.3@781.1,-1186.61 ; R16.2@880.57,-825.2 880.57,-750.92 916.93,-714.57 916.93,-645.28 912.2,-640.55 v1(911.81,-640.55) R98.2@911.81,-614.63
  L4 w8: 749.61,-1054.72 911.42,-1054.72 956.3,-1009.84 956.3,-892.91 974.06,-875.15 P6.3@1032.32,-875.15 ; P40.3@780.32,-1193.31 P40.3@780.32,-1185.83
  L4 w10: P40.3@781.1,-1186.61 780.32,-1185.83 749.61,-1155.12 749.61,-1054.72 730.32,-1035.43 730.32,-955.51 885.04,-800.79 885.04,-667.32 v1(911.81,-640.55)
ACC_IN: P4.8 P40.8 R82.2 | length 702.1
  L1 w8: v1(350.39,-610.63) 351.18,-611.42 R82.2@383.72,-611.42 ; P40.8@485.04,-1193.31 485.43,-1192.91 P4.8@485.43,-1114.96 v1(485.43,-1041.73)
  L4 w8: v1(350.39,-610.63) 350.39,-720.47 314.57,-756.3 314.57,-831.89 485.43,-1002.76 v1(485.43,-1041.73)
ACC_INT: R2.1 U3.16 U4.10 | length 397.6
  L1 w8: U3.16@707.09,-612.01 797.7,-612.01 R2.1@797.9,-611.81 799.76,-609.95 799.76,-590.01 858.66,-531.1 924.41,-531.1 932.79,-522.73 U4.10@932.79,-399.53
ACCL_INT: R58.1 TP24.1 U4.39 U5.5 | length 317.1
  L1 w8: v1(494.88,-24.02) 508.59,-24.02 U5.5@508.69,-23.92 508.69,25.43 R58.1@506.17,27.95 ; v1(618.5,-152.76) 620.08,-154.33 TP24.1@643.31,-154.33 644.17,-153.47 U4.39@686.72,-153.47 U4.39@685.87,-154.32
  L4 w8: v1(494.88,-24.02) 494.88,-29.13 v1(618.5,-152.76)
ADC_IN: C90.2 R87.2 R95.2 U4.18 | length 519.3
  L1 w8: U4.18@1041.05,-232.21 1075.52,-232.21 1079.53,-236.21 1101.44,-236.21 C90.2@1102.23,-237
  L4 w8: R95.2@1048.82,-558.27 1017.32,-526.77 1017.32,-245.28 1026.39,-236.21 v1@1084.64,-236.21 ; R87.2@1052.36,-499.35 1053.15,-500.13 R95.2@1053.15,-558
  other v1: 1083,-232
ADC_IN1: C91.2 R89.2 R96.2 U4.19 | length 650.1
  L1 w8: U4.19@1041.05,-212.52 1070.15,-212.52 v1(1083.46,-199.2)
  L4 w6: 1022.84,-579.13 1088.45,-579.13 R96.2@1110.63,-556.95 R89.2@1110.63,-507.61
  L4 w8: 1022.84,-579.13 1000.79,-557.09 1000.79,-226.38 1027.96,-199.2 v1(1083.46,-199.2)
DIGITAL_OUT1: F3.1 P4.1 P40.1 | length 255.1
  L1 w25: P40.1@898.43,-1193.31 898.82,-1192.91 P4.1@898.82,-1114.96 935.43,-1114.96 1028.35,-1022.05 F3.1@1028.35,-1013.43
DIGITAL_OUT2: F2.1 P4.2 P40.2 | length 232.3
  L1 w25: P40.2@839.37,-1193.31 839.76,-1192.91 P4.2@839.76,-1114.96 839.76,-1061.81 888.94,-1012.64 F2.1@920.08,-1012.64
EXTINT0: U12.24
FL_CS: U4.14 U13.1 | length 431.9
  L1 w8: U4.14@1041.05,-310.95 1066.86,-310.95 1119,-363.09 1119,-565 1043,-641 U13.1@1043,-664